# Altium PCB V1.0.PcbDoc (part 1 of 2)
Units mm, origin at the board's own origin, x right, y up, seen from the top; angles counter-clockwise.
Board outline 34 x 46.23 mm, 6 copper layers (TOP01, SIG02, SIG03, PWR04, GND05, BOTTOM06), stack 1.538 mm thick; 136 components, 92 nets, 515 pads, 196 vias.
Unrouted connection lines stored in the file: 94.
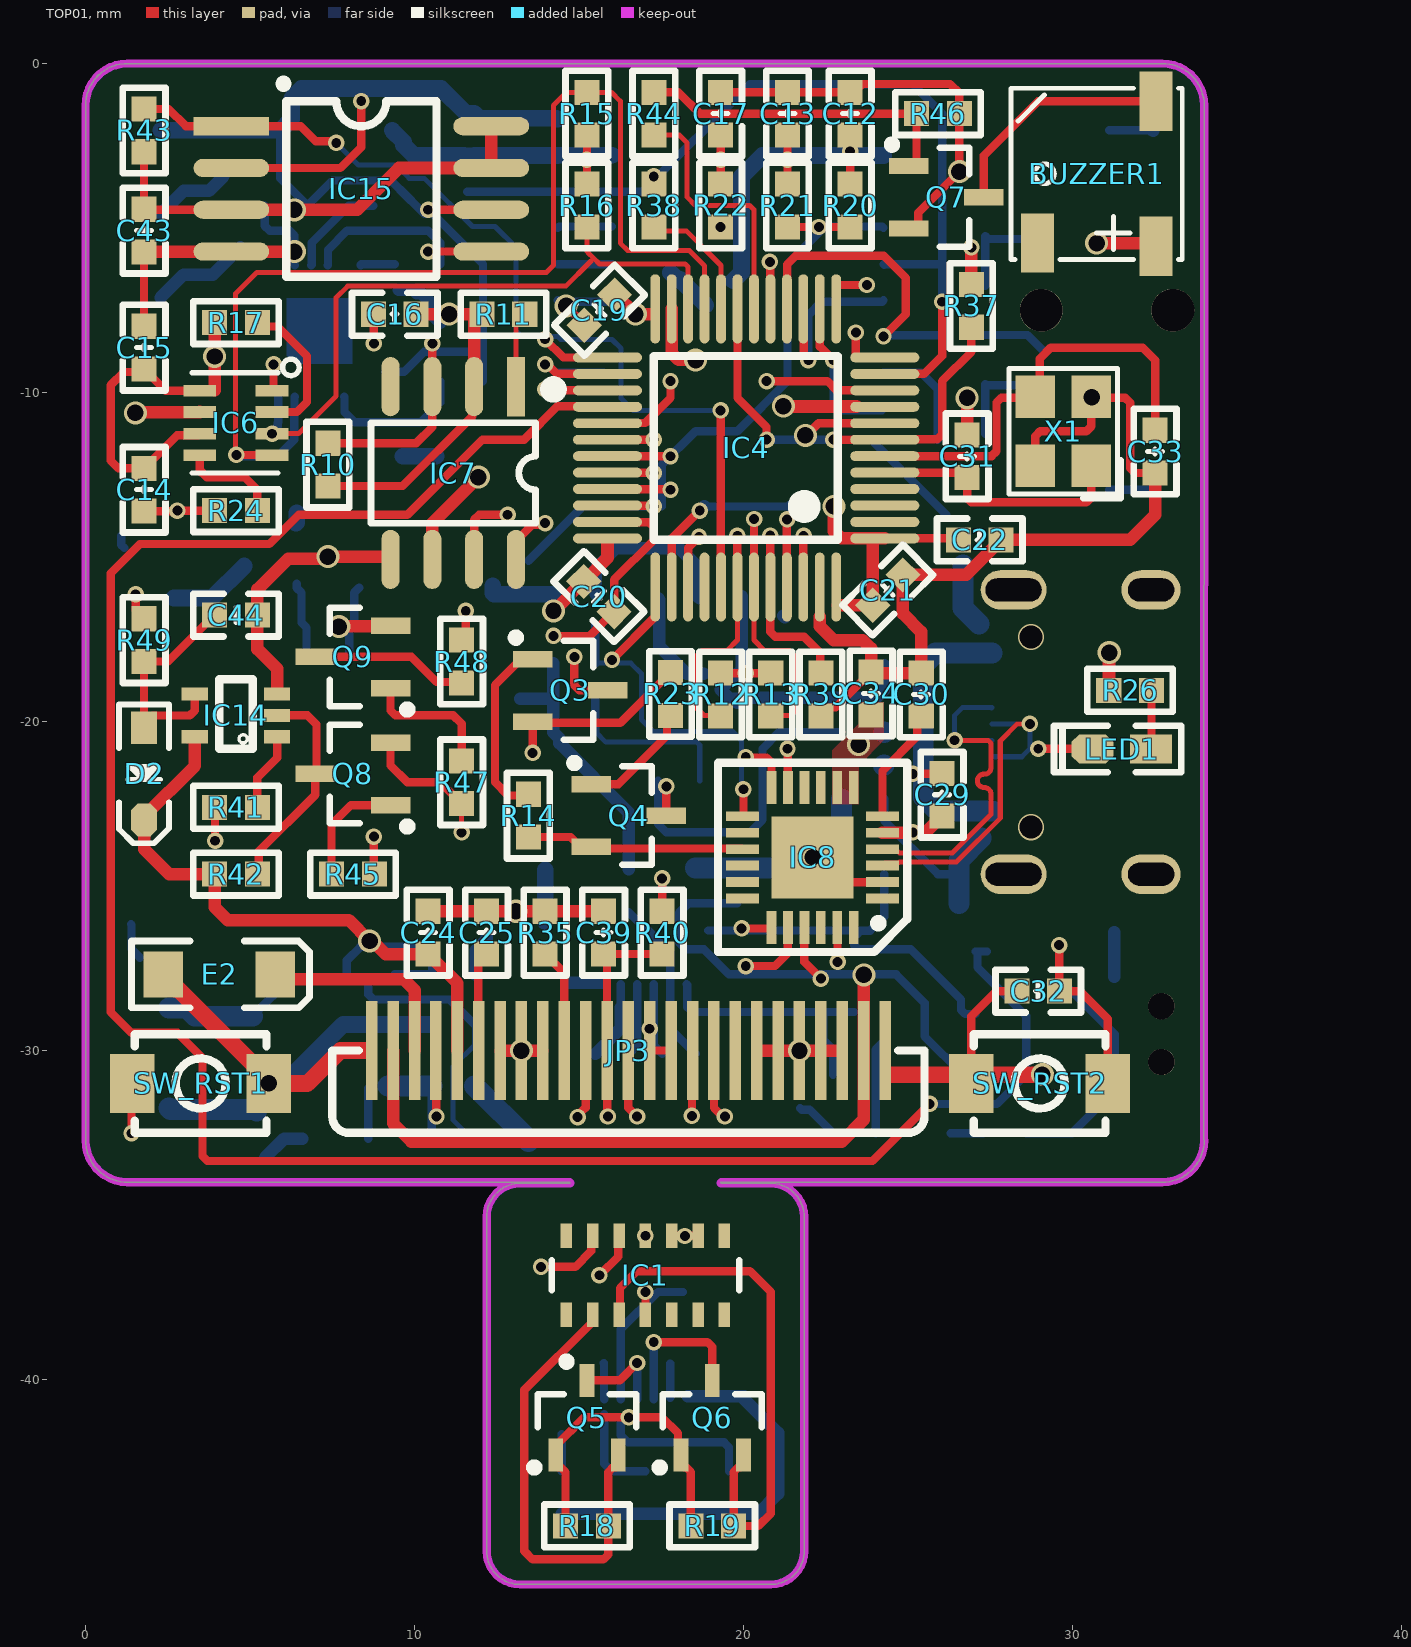
[diagram p0: TOP01 view]
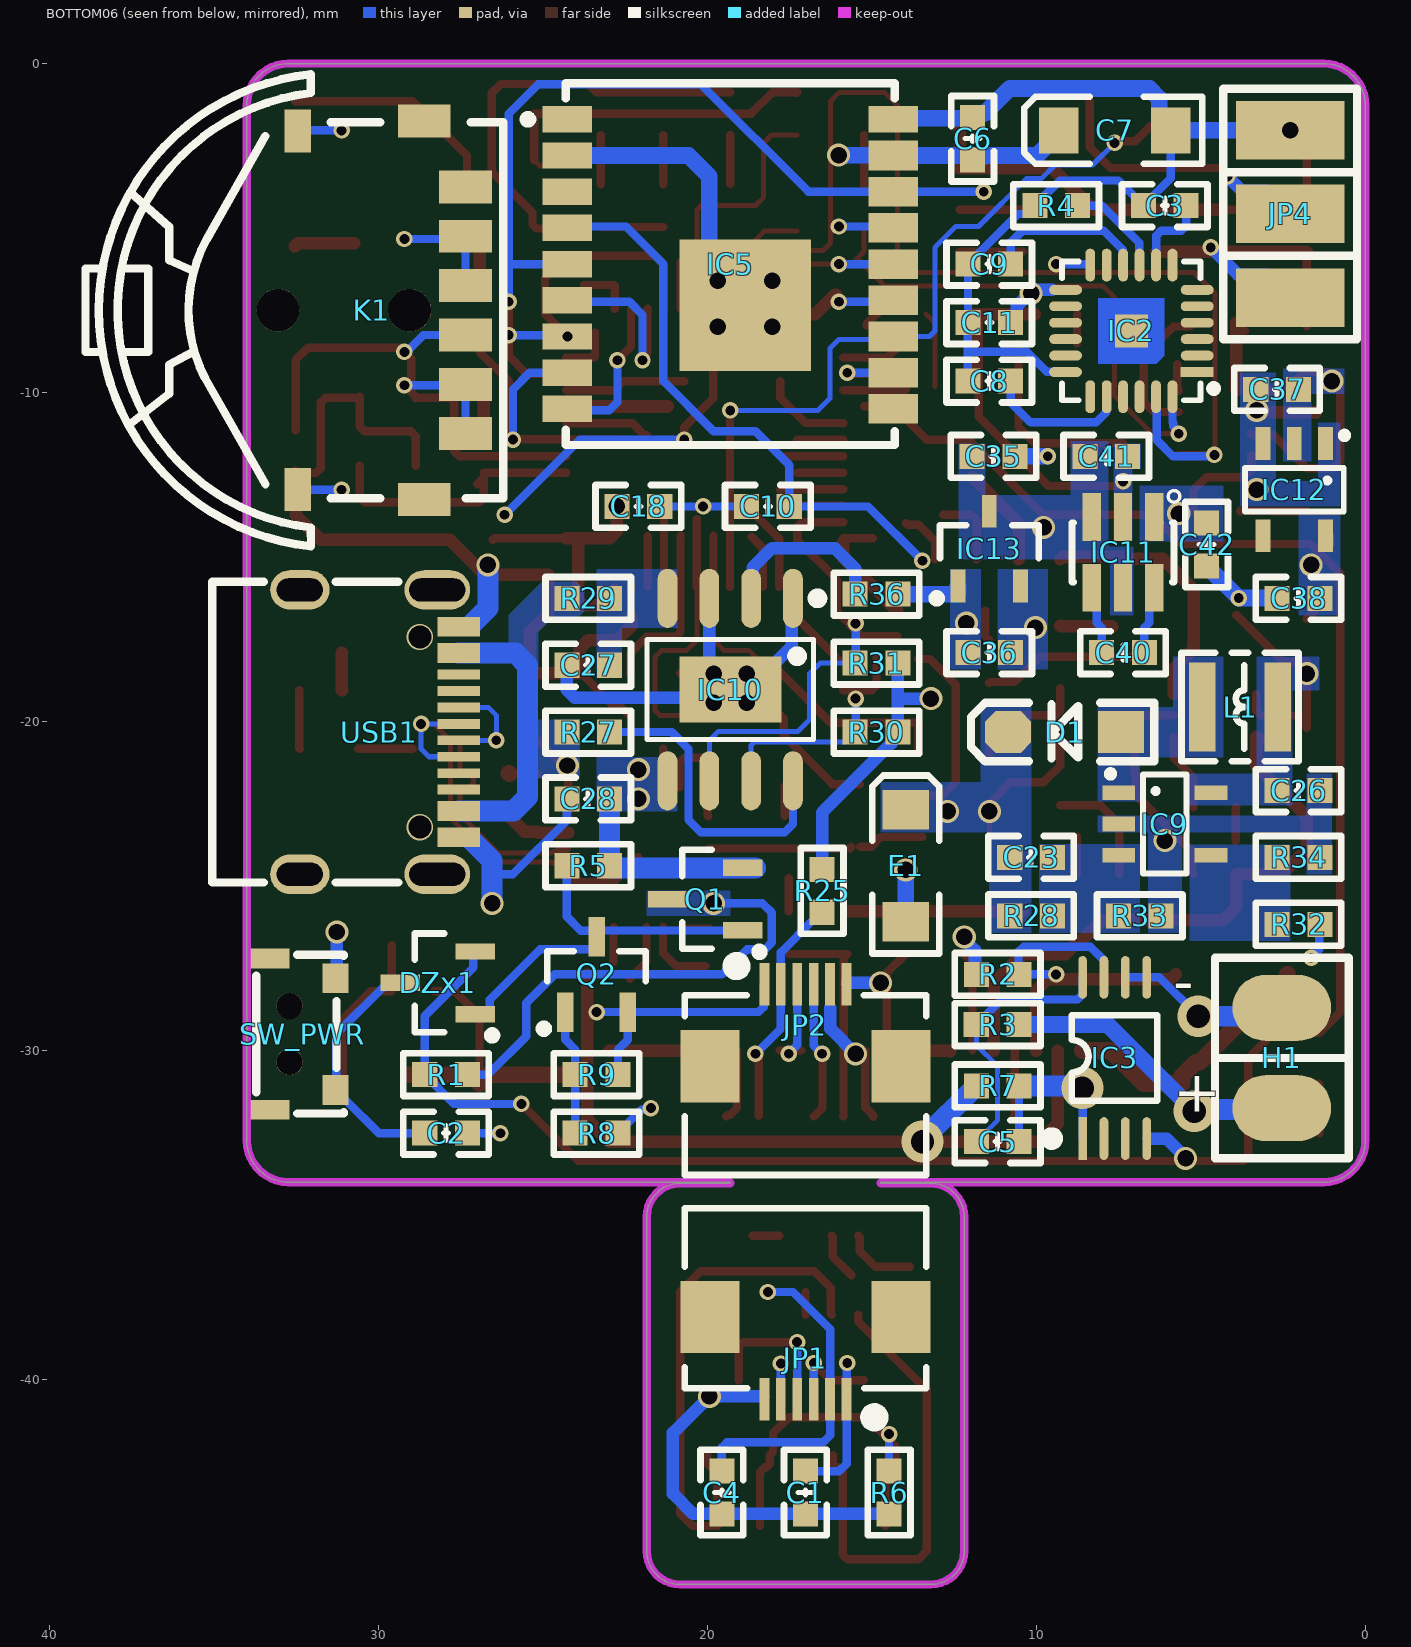
[diagram p1: BOTTOM06 view, seen from below]
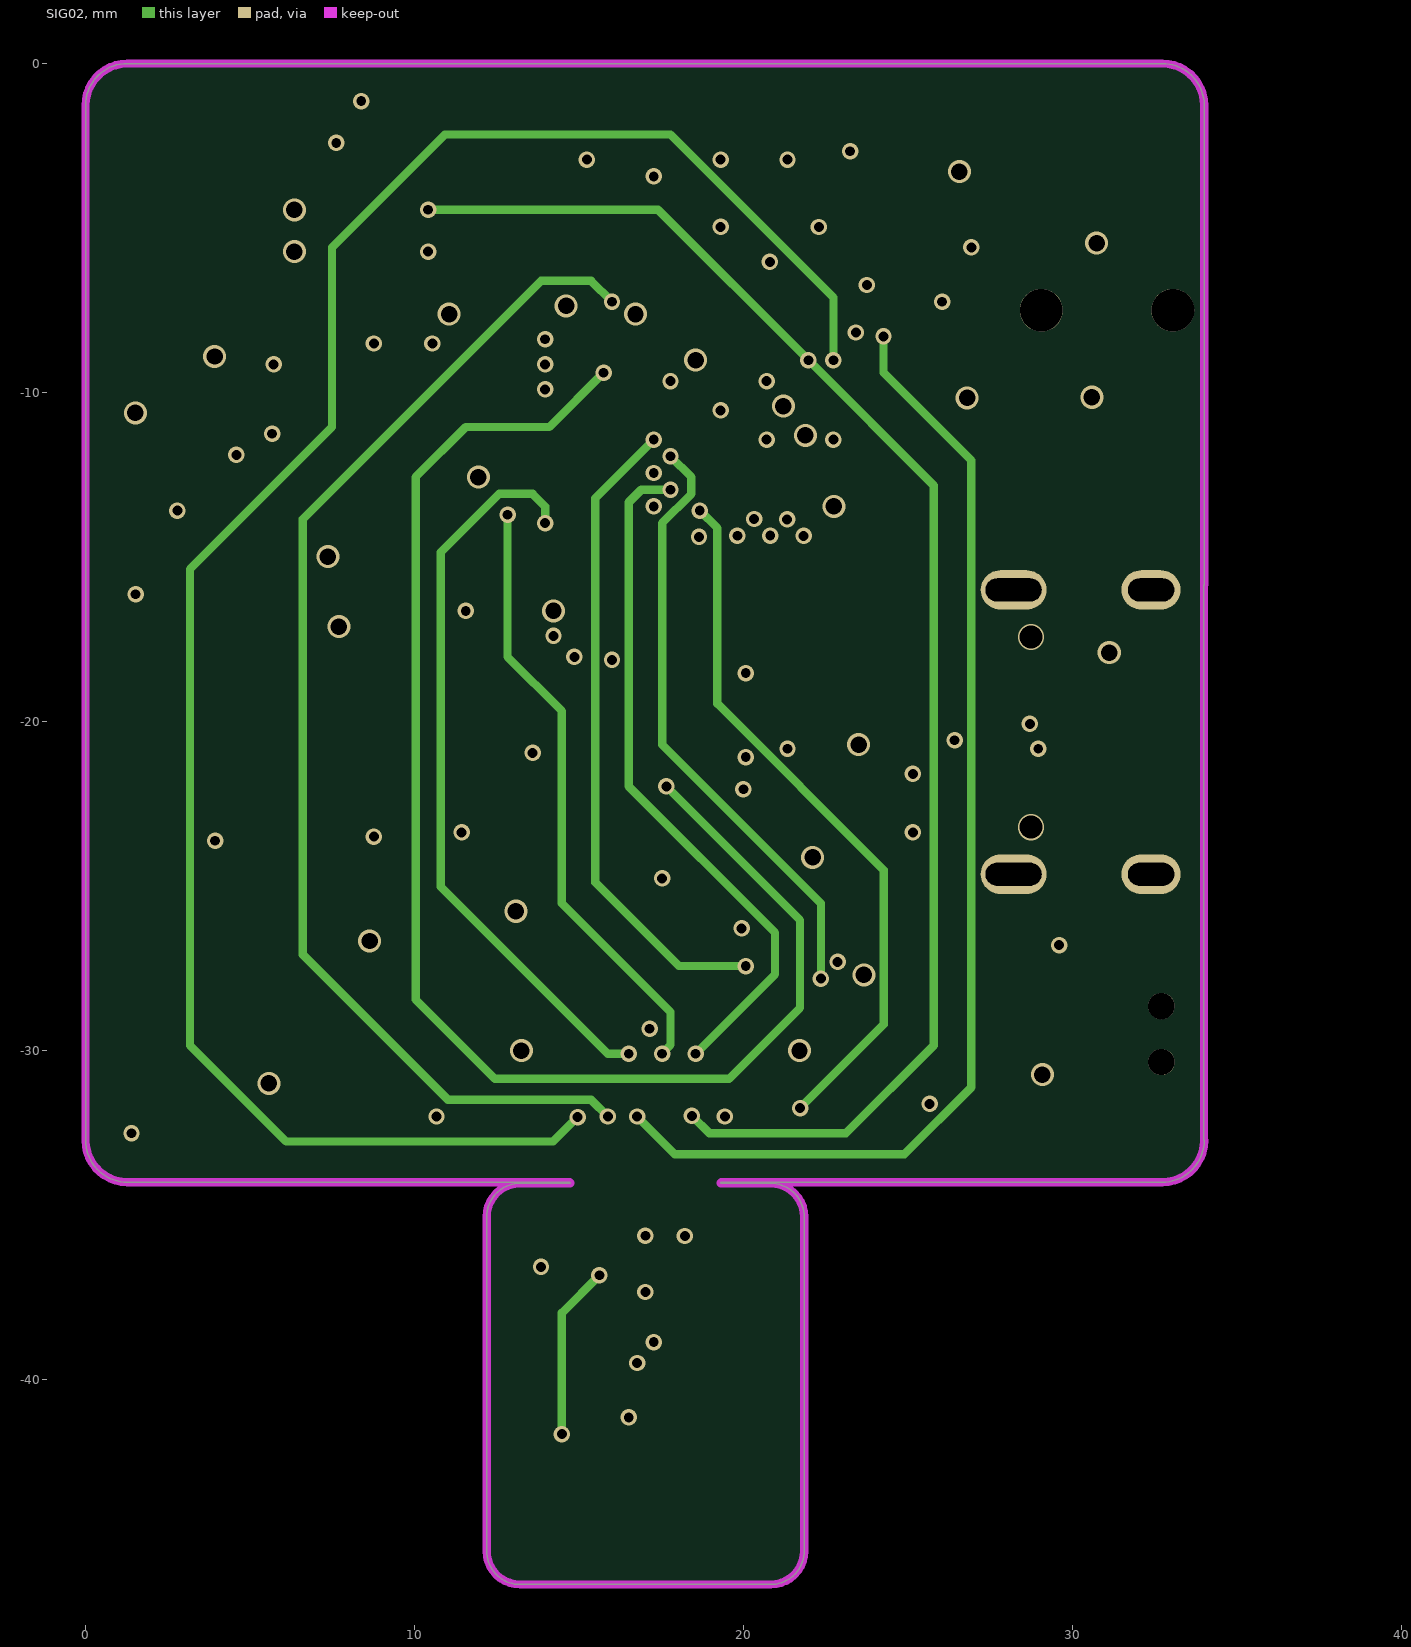
[diagram p2: SIG02]
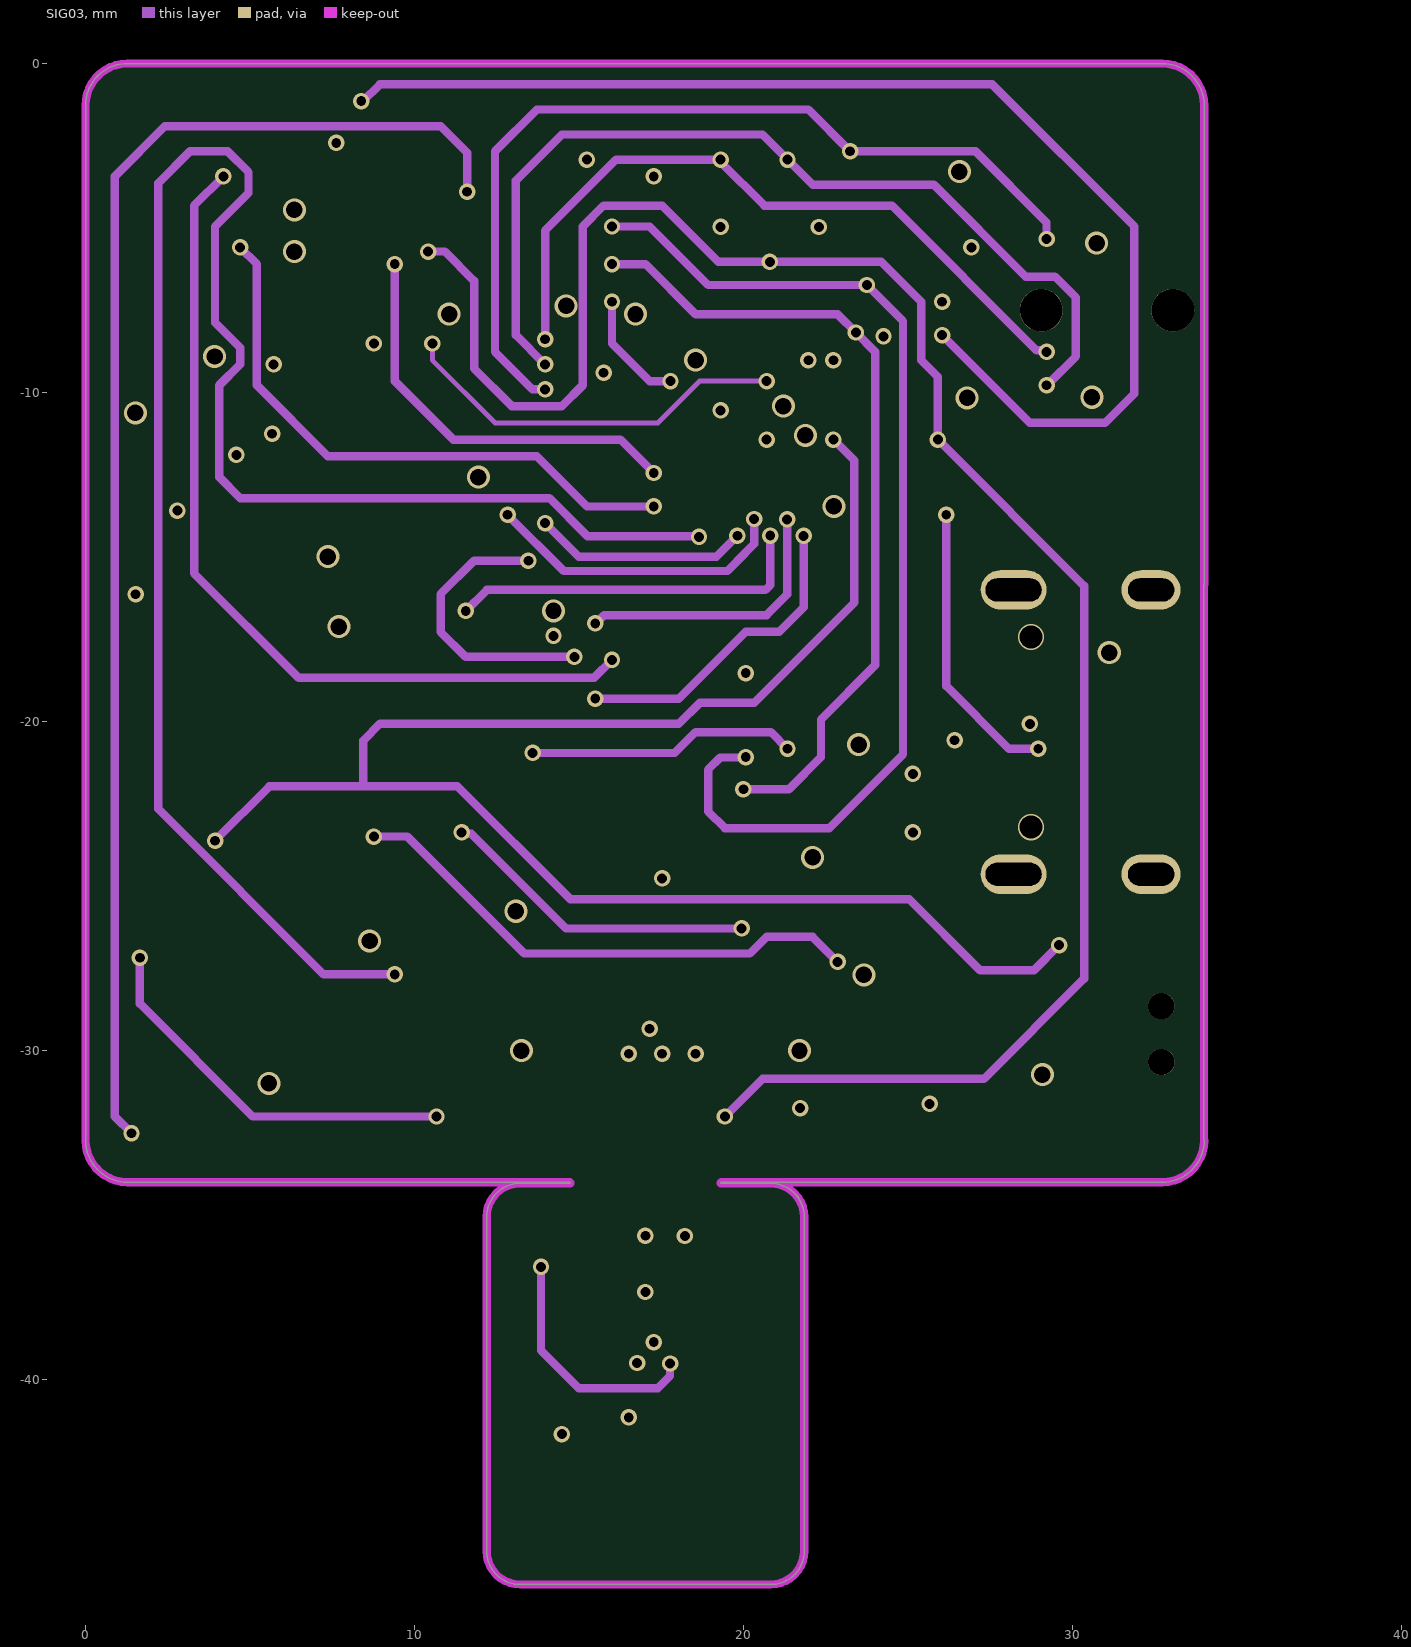
[diagram p3: SIG03]
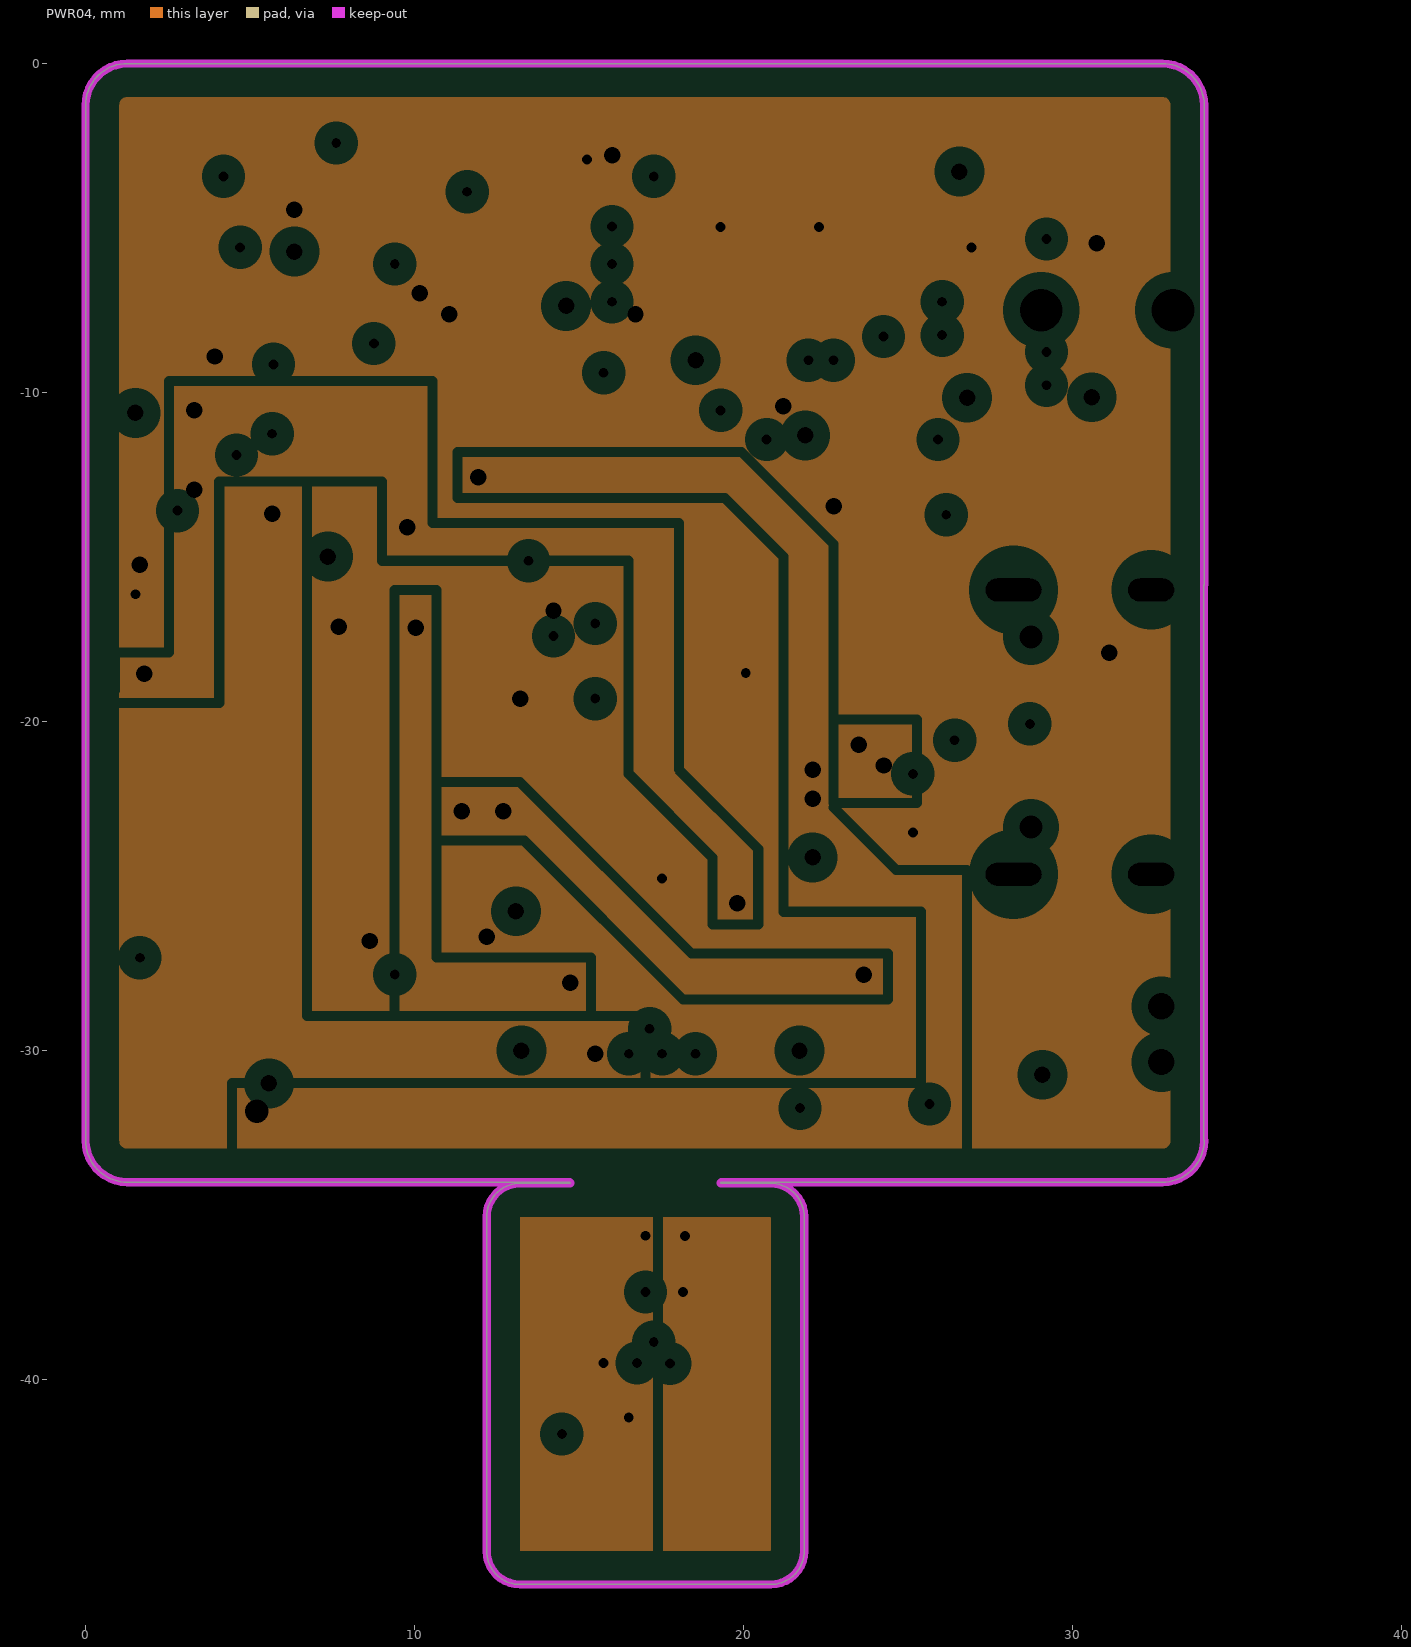
[diagram p4: PWR04, clearances drawn from the general rule]
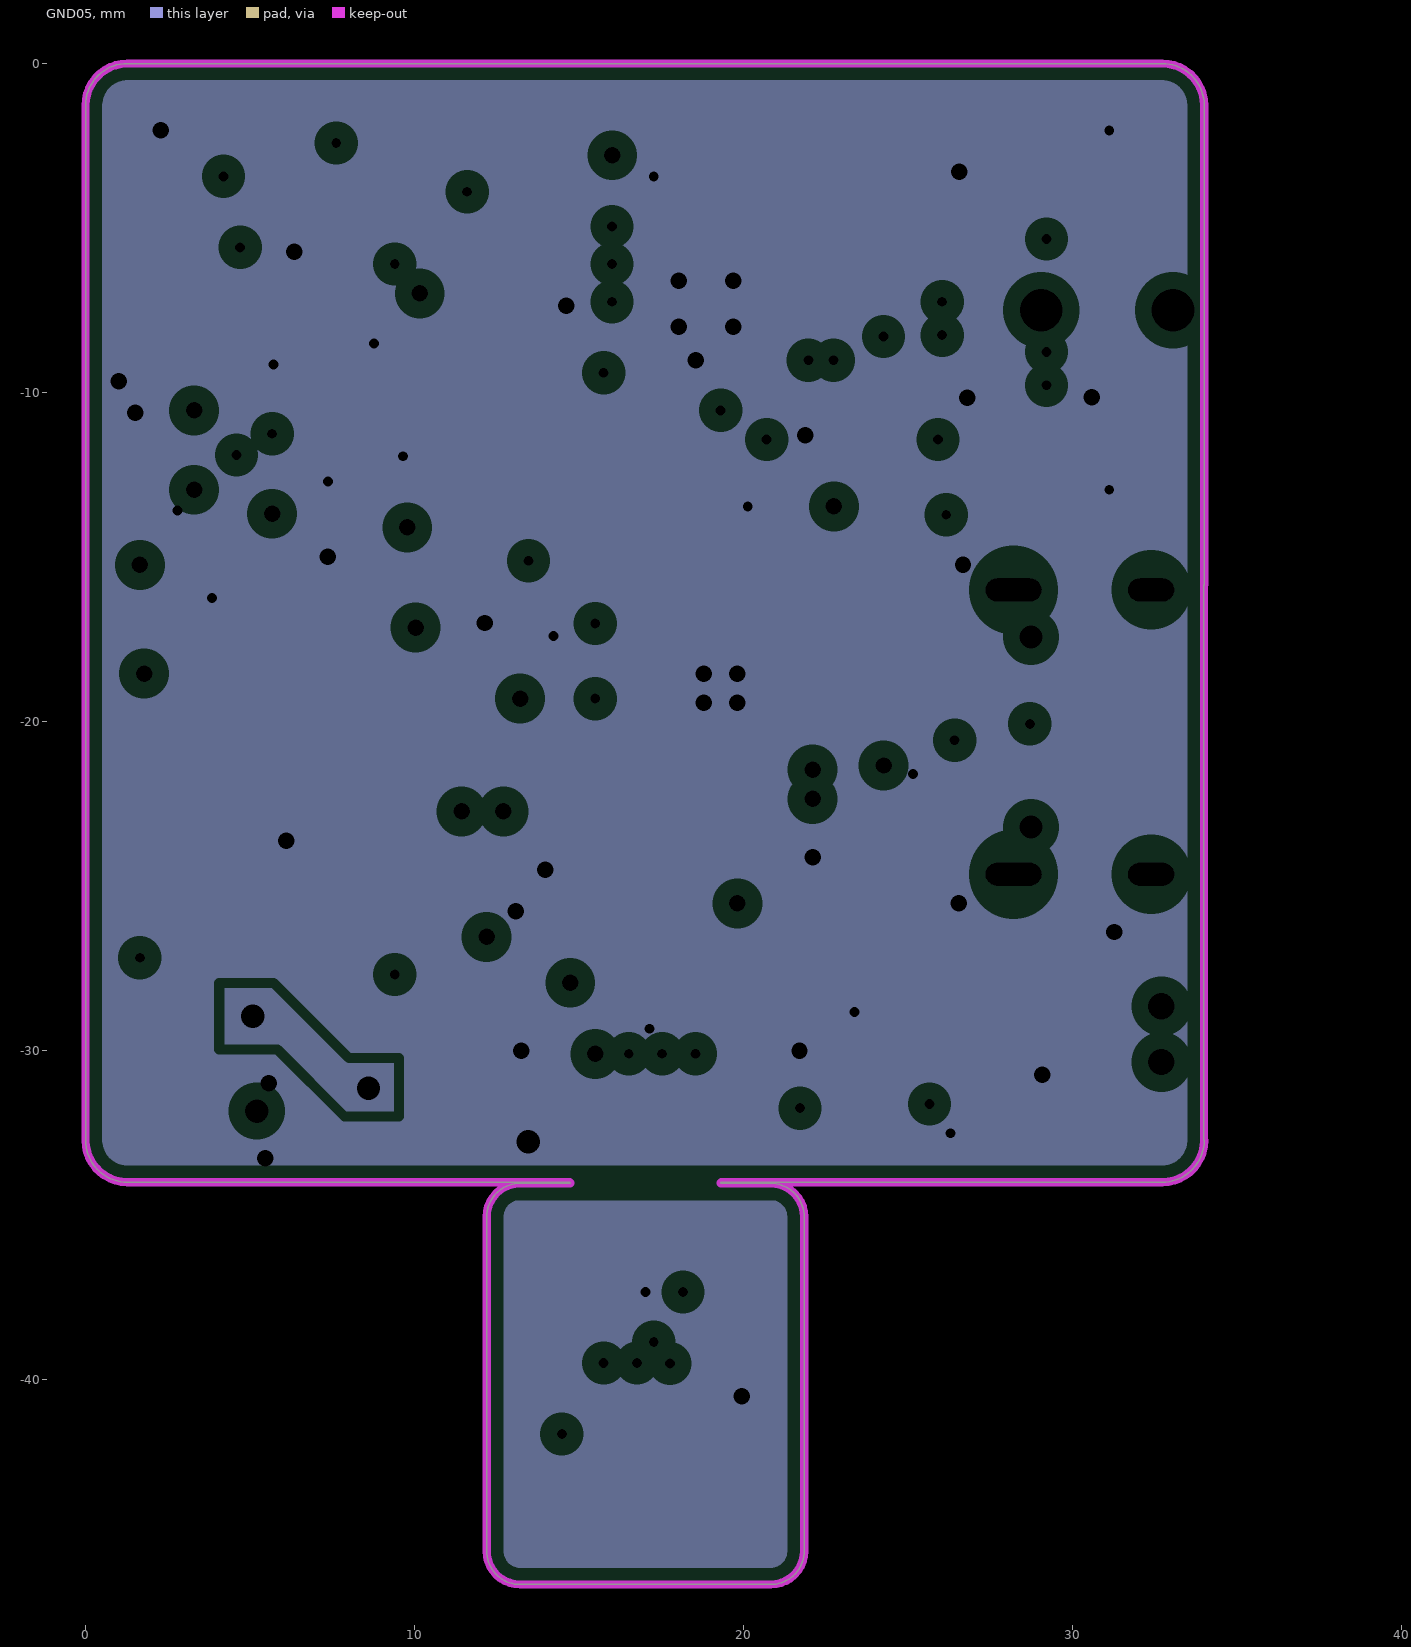
[diagram p5: GND05, clearances drawn from the general rule]

## Layer stack, top to bottom
Top Solder: solder mask 0.01, Solder Resist, Dk 3.3
TOP01: signal copper 0.035
Dielectric 1: prepreg 0.0994, PP, Dk 4.5
SIG02: signal copper 0.0152
Dielectric 2: core 0.55, core, Dk 4.5
SIG03: signal copper 0.0152
Dielectric 3: prepreg 0.1088, PP, Dk 4.5
PWR04: plane copper 0.0152, net (Multiple Nets)
Dielectric 5: core 0.55, core, Dk 4.5
GND05: plane copper 0.0152, net (Multiple Nets)
Dielectric 6: prepreg 0.0994, PP, Dk 4.5
BOTTOM06: signal copper 0.035
Bottom Solder: solder mask 0.01, Solder Resist, Dk 3.3

## Board outline
13.208,-46.228 cw(c13.208,-45.212) 12.192,-45.212 12.192,-35.052 cw(c13.208,-35.052) 13.208,-34.036 14.732,-34.036 ccw(c14.696,-34.036) 14.696,-34 1.27,-34 cw(c1.27,-32.73) 0,-32.73 0,-1.27 cw(c1.27,-1.27) 1.27,0 32.73,0 cw(c32.73,-1.27) 34,-1.27 34,-15.844 33.994,-15.85 33.994,-24.842 33.995,-24.842 33.995,-32.725 34,-32.73 cw(c32.73,-32.73) 32.73,-34 19.34,-34 ccw(c19.34,-34.036) 19.304,-34.036 20.828,-34.036 cw(c20.828,-35.052) 21.844,-35.052 21.844,-45.212 cw(c20.828,-45.212) 20.828,-46.228

## Design rules (kind name [scope] priority, off if disabled: settings)
Clearance [Not OnLayer('Keep-Out Layer') AND Not (InComponent('USB1') AND IsVia) vs Not OnLayer('Keep-Out Layer') AND Not (InComponent('USB1') AND IsVia)] p1: gap=0.152 ignorepadtopadclearanceinfootprint=TRUE
DiffPairsRouting DiffPair_USBC_DiffPairsRouting [InDifferentialPair ('USBC')] p1: maxlimit=0.178 minlimit=0.127 mostfreqgap=0.127 toplayer_minwidth=0.127 toplayer_maxwidth=0.178 toplayer_prefwidth=0.152 midlayer1_minwidth=0.127 midlayer1_maxwidth=0.178 midlayer1_prefwidth=0.152 midlayer2_minwidth=0.127 midlayer2_maxwidth=0.178 midlayer2_prefwidth=0.152 bottomlayer_minwidth=0.127 bottomlayer_maxwidth=0.178 bottomlayer_prefwidth=0.152 maxuncoupledlength=12.7
HoleSize [All] p1: absolutevalues=TRUE maxlimit=6.3 minlimit=0.2 maxpercent=80.000 minpercent=20.000
MatchedLengths DiffPair_USBC_MatchedLengths [InDifferentialPair ('USBC')] p1: tolerance=0.127 checknetsindiffpair=FALSE checkdiffpairvsdiffpair=TRUE checkxsignals=TRUE checkothers=TRUE
MinimumSolderMaskSliver [NOT InComponent('IC8') AND NOT InComponent('K1') AND NOT InComponent('IC2') AND InDifferentialPairClass('All Differential Pairs') vs NOT InComponent('IC8') AND NOT InComponent('K1') AND NOT InComponent('IC2') AND InDifferentialPairClass('All Differential Pairs')] p1: minsoldermaskwidth=0.08
PlaneClearance [All] p1: clearance=0.508
PlaneConnect [All] p1: planeconnectstyle=Direct reliefexpansion=0.508 reliefentries=4 reliefconductorwidth=0.254 reliefairgap=0.254
PolygonConnect [All] p1: connectstyle=Direct reliefconductorwidth=0.254 reliefentries=4 polygonreliefangle="90 Angle" airgapwidth=0.254
RoutingVias [All] p1: holewidth=0.406 width=0.711 viastyle="Through Hole" minholewidth=0.305 minwidth=0.635 maxholewidth=0.61 maxwidth=1.016
SilkToSilkClearance [All] p1: silktosilkclearance=0
SilkToSolderMaskClearance [IsPad] p1: minsilkscreentomaskgap=0 clearancetoexposedcopper=TRUE
SolderMaskExpansion [IsVia] p1: expansion=0.102 istentingtop=TRUE
Width [All] p1: maxlimit=2.54 minlimit=0.089 preferedwidth=0.508
23 further rules are at their usual default settings.

## Classes and differential pairs
differential pair USBC: +USBC_P -USBC_N
